# KiCad board mxm_immobilizer.kicad_pcb (continued)
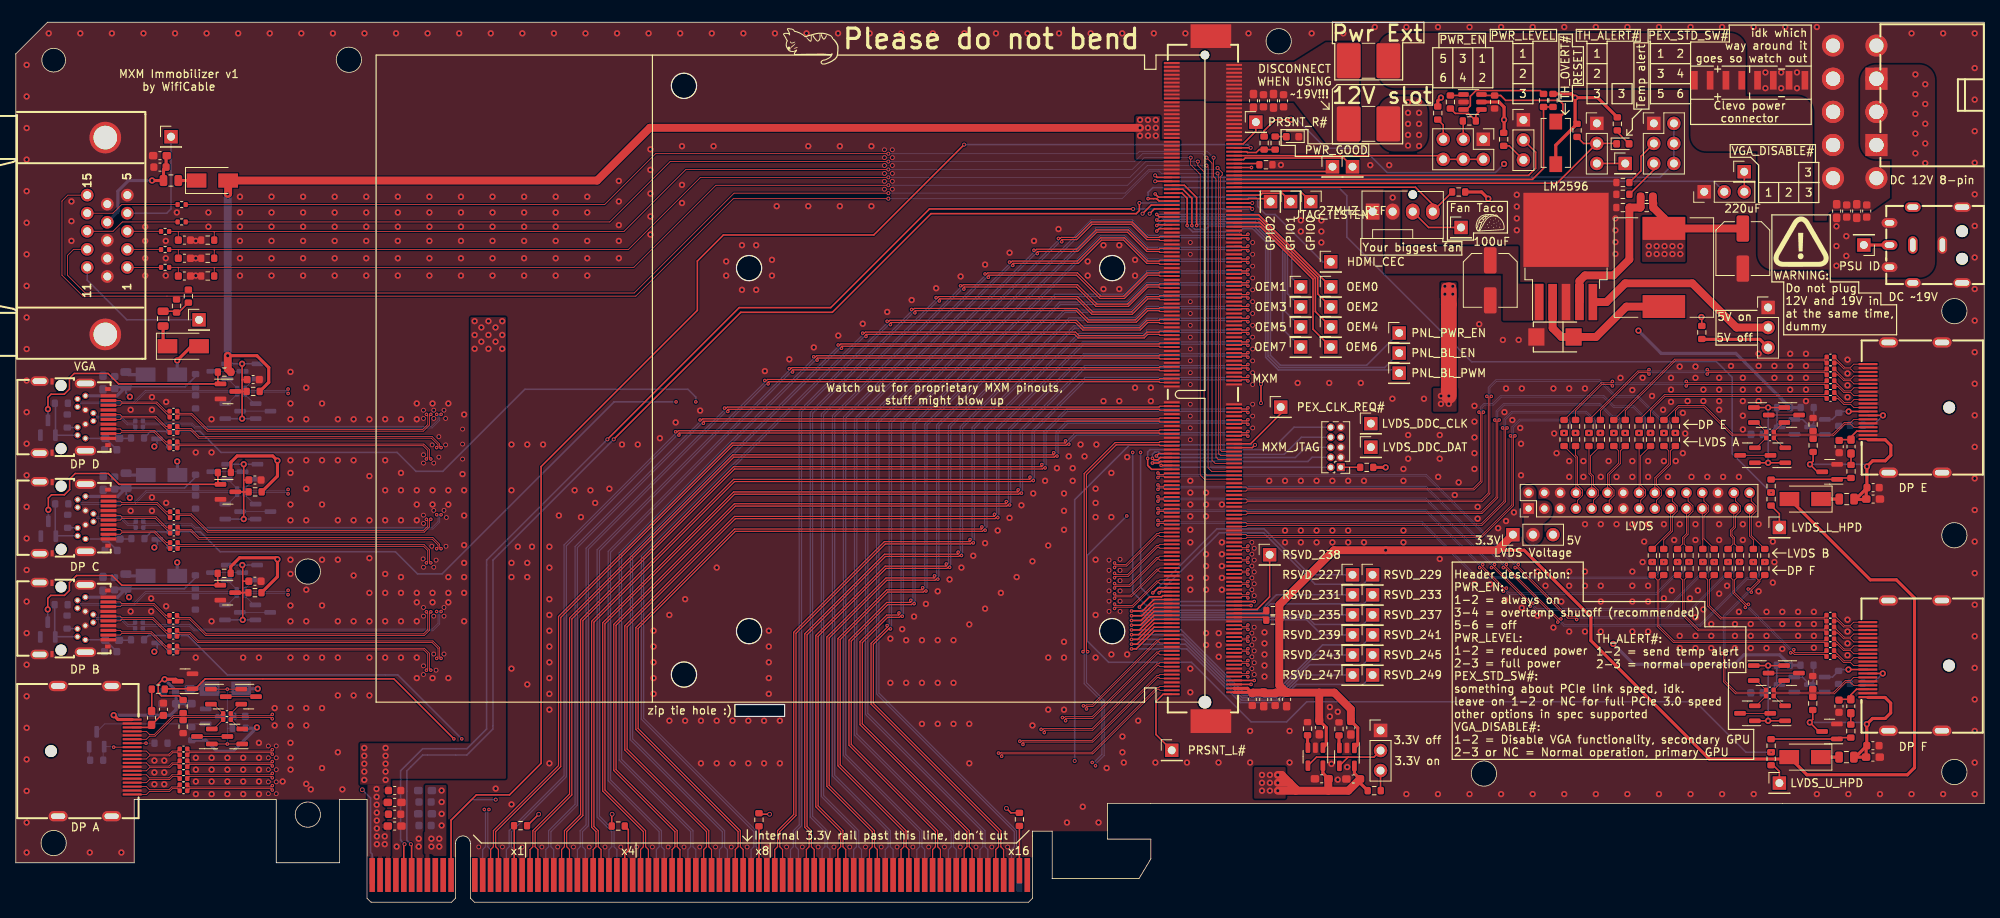
[diagram p0: board, top side]
## Routing (per net, layer and track width the routed paths; a pad name or vN(x,y) marks a point on that pad's centre or on a via; arc(x,y) is an arc through that point) (continued)
/DP_B_C_L3+: length 8.6
  Top w0.1: mDP_B1.5 13.23,34.45 13.42,34.25 17.21,34.25 19.02,32.45 C33.2
/DP_B_C_L3-: length 8.8
  Top w0.1: mDP_B1.3 13.23,33.85 13.42,34.04 17.13,34.04 C34.2
/DP_C_C_AUX+: length 23.1
  Bottom w0.1: Q12.2 26.85,50.45 C53.2 27.78,51.92 16.57,51.92 15.07,50.42 8.23,50.42 7.83,50.02
/DP_C_C_AUX-: length 22.9
  Bottom w0.1: 7.83,51.02 8.23,50.63 14.98,50.63 16.48,52.13 27.78,52.13 C52.2 26.85,53.6 Q11.2
/DP_C_C_L0+: length 6
  Bottom w0.1: 9.83,49.22 10.23,48.83 13.37,48.83 14.24,47.95 14.93,47.95 C20.2
/DP_C_C_L0-: length 6
  Bottom w0.1: C22.2 14.93,47.74 14.16,47.74 13.28,48.62 10.23,48.62 9.83,48.22
/DP_C_C_L1+: length 8.4
  Top w0.1: C18.2 19.09,49.47 17.94,50.63 13.44,50.63 13.25,50.82 mDP_C1.17
/DP_C_C_L1-: length 8.6
  Top w0.1: mDP_C1.15 13.25,50.22 13.44,50.42 17.85,50.42 C19.2
/DP_C_C_L2+: length 8.4
  Top w0.1: mDP_C1.11 13.25,49.02 13.44,48.83 17.79,48.83 19.09,47.52 C21.2
/DP_C_C_L2-: length 8.6
  Top w0.1: C23.2 17.7,48.62 13.44,48.62 13.25,48.42 mDP_C1.9
/DP_C_C_L3+: length 8.5
  Top w0.1: mDP_C1.5 13.25,47.22 13.44,47.03 17.64,47.03 19.09,45.57 C24.2
/DP_C_C_L3-: length 8.7
  Top w0.1: C25.2 17.55,46.82 13.44,46.82 13.25,46.62 mDP_C1.3
/DP_D_C_AUX+: length 23.1
  Bottom w0.1: Q10.2 26.85,63.17 C51.2 27.78,64.64 16.49,64.64 15.02,63.17 8.22,63.17 mDP_D1.16
/DP_D_C_AUX-: length 22.9
  Bottom w0.1: mDP_D1.18 8.22,63.38 14.93,63.38 16.41,64.85 27.78,64.85 C50.2 26.85,66.32 Q9.2
/DP_D_C_L0+: length 6
  Bottom w0.1: C11.2 14.88,60.7 14.19,60.7 13.32,61.58 10.22,61.58 mDP_D1.12
/DP_D_C_L0-: length 6
  Bottom w0.1: C13.2 14.88,60.49 14.11,60.49 13.23,61.37 10.22,61.37 mDP_D1.10
/DP_D_C_L1+: length 8.3
  Top w0.1: C9.2 19.04,62.22 17.89,63.38 13.43,63.38 13.24,63.57 mDP_D1.17
/DP_D_C_L1-: length 8.5
  Top w0.1: C10.2 17.8,63.17 13.43,63.17 13.24,62.97 mDP_D1.15
/DP_D_C_L2+: length 8.4
  Top w0.1: mDP_D1.11 13.24,61.77 13.43,61.58 17.74,61.58 19.04,60.27 C12.2
/DP_D_C_L2-: length 8.6
  Top w0.1: C14.2 17.65,61.37 13.43,61.37 13.24,61.17 mDP_D1.9
/DP_D_C_L3+: length 8.4
  Top w0.1: C15.2 19.04,58.32 17.59,59.78 13.43,59.78 13.24,59.97 mDP_D1.5
/DP_D_C_L3-: length 8.7
  Top w0.1: C16.2 17.5,59.57 13.43,59.57 13.24,59.37 11.74,59.37
/DP_E_C_AUX+: length 14.7
  Top w0.1: 224.05,60.78 223.92,60.78 C88.2 222.99,59.31 230.18,59.31 231.66,60.79 232.47,60.79 232.86,61.18 DP_E1.15
/DP_E_C_AUX-: length 14.8
  Top w0.1: DP_E1.17 232.86,60.18 232.47,60.58 231.74,60.58 230.27,59.1 222.99,59.1 C89.2 223.97,57.58 Q30.2
/DP_E_C_L0+: length 5
  Top w0.1: C96.2 231.68,67.79 232.47,67.79 232.86,68.18 DP_E1.1
/DP_E_C_L0-: length 4.8
  Top w0.1: DP_E1.3 232.86,67.18 232.47,67.58 231.59,67.58 230.84,68.33 C97.2
/DP_E_C_L1+: length 5
  Top w0.1: C98.2 231.68,66.29 232.47,66.29 232.86,66.68 DP_E1.4
/DP_E_C_L1-: length 4.8
  Top w0.1: C99.2 230.84,66.83 231.59,66.08 232.47,66.08 232.86,65.68 DP_E1.6
/DP_E_C_L2+: length 5
  Top w0.1: C100.2 231.68,64.79 232.47,64.79 232.86,65.18 DP_E1.7
/DP_E_C_L2-: length 4.8
  Top w0.1: DP_E1.9 232.86,64.18 232.47,64.58 231.59,64.58 230.84,65.33 C101.2
/DP_E_C_L3+: length 5
  Top w0.1: DP_E1.10 232.86,63.68 232.47,63.29 231.68,63.29 C102.2
/DP_E_C_L3-: length 4.8
  Top w0.1: C103.2 230.84,63.83 231.59,63.08 232.47,63.08 232.86,62.68 DP_E1.12
/DP_F_C_AUX+: length 14.7
  Top w0.1: DP_F1.15 232.84,28.49 232.44,28.09 231.79,28.09 230.31,26.62 222.97,26.62 C90.2 223.9,28.09 Q31.2
/DP_F_C_AUX-: length 14.8
  Top w0.1: Q32.2 223.95,24.89 C91.2 222.97,26.41 230.4,26.41 231.87,27.88 232.44,27.88 232.84,27.49 DP_F1.17
/DP_F_C_L0+: length 5
  Top w0.1: DP_F1.1 232.84,35.49 232.44,35.09 231.65,35.09 C104.2
/DP_F_C_L0-: length 4.7
  Top w0.1: C105.2 230.81,35.63 231.56,34.88 232.44,34.88 232.84,34.49 DP_F1.3
/DP_F_C_L1+: length 5
  Top w0.1: DP_F1.4 232.84,33.99 232.44,33.59 231.65,33.59 C106.2
/DP_F_C_L1-: length 4.7
  Top w0.1: DP_F1.6 232.84,32.99 232.44,33.38 231.56,33.38 230.81,34.13 C107.2
/DP_F_C_L2+: length 5
  Top w0.1: DP_F1.7 232.84,32.49 232.44,32.09 231.65,32.09 C108.2
/DP_F_C_L2-: length 4.8
  Top w0.1: C109.2 230.8,32.64 231.56,31.88 232.44,31.88 232.84,31.49 DP_F1.9
/DP_F_C_L3+: length 5
  Top w0.1: DP_F1.10 232.84,30.99 232.44,30.59 231.66,30.59 C110.2
/DP_F_C_L3-: length 4.8
  Top w0.1: C111.2 230.81,31.14 231.57,30.38 232.44,30.38 232.84,29.99 DP_F1.12
/RX0+: length 128
  Top w0.15: MXM1.147 144.95,59.85 144.84,59.74 83.94,59.74 83.8,59.61 v3(83.59,59.61)
  Bottom w0.15: v3(83.59,59.61) 83.59,59.4 80.8,56.6 69.45,45.26 69.45,16.01 62.5,9.06 62.5,7.03 62.15,6.68 PCIe_x16_1.A16
/RX0-: length 127.5
  Top w0.15: MXM1.149 144.95,59.35 144.84,59.45 84.06,59.45 84.01,59.4 v3(84.01,59.19)
  Bottom w0.15: v3(84.01,59.19) 83.8,59.19 81,56.4 69.74,45.14 69.74,15.89 62.8,8.94 62.8,7.03 63.15,6.68 PCIe_x16_1.A17
/RX1+: length 125.6
  Top w0.15: MXM1.141 144.95,61.35 144.84,61.24 87.04,61.24 86.9,61.11 v3(86.69,61.11)
  Bottom w0.15: v3(86.69,61.11) 86.69,60.9 85.2,59.4 70.86,45.06 70.86,12.41 67.5,9.06 67.5,7.03 67.15,6.68 PCIe_x16_1.A21
/RX1-: length 125.1
  Top w0.15: MXM1.143 144.95,60.85 144.84,60.95 87.16,60.95 87.11,60.9 v3(87.11,60.69)
  Bottom w0.15: PCIe_x16_1.A22 68.15,6.68 67.8,7.03 67.8,8.94 71.14,12.29 71.14,44.94 85.4,59.2 86.9,60.69 v3(87.11,60.69)
/RX2+: length 123.6
  Top w0.15: v3(89.79,62.61) 90,62.61 90.14,62.74 144.84,62.74 144.95,62.85 MXM1.135
  Bottom w0.15: v3(89.79,62.61) 89.79,62.4 87.8,60.4 72.25,44.86 72.25,9.81 71.5,9.06 71.5,7.03 71.15,6.68 PCIe_x16_1.A25
/RX2-: length 123.2
  Top w0.15: MXM1.137 144.95,62.35 144.84,62.45 90.26,62.45 90.21,62.4 v3(90.21,62.19)
  Bottom w0.15: PCIe_x16_1.A26 72.15,6.68 71.8,7.03 71.8,8.94 72.55,9.69 72.55,44.74 88,60.2 90,62.19 v3(90.21,62.19)
/RX3+: length 124
  Top w0.15: MXM1.121 144.95,66.35 144.84,66.24 95.24,66.24 95.1,66.11 v3(94.89,66.11)
  Bottom w0.15: PCIe_x16_1.A29 75.15,6.68 75.5,7.03 75.5,8.94 73.66,10.79 73.66,44.66 91.7,62.7 94.89,65.9 v3(94.89,66.11)
/RX3-: length 123.5
  Top w0.15: MXM1.123 144.95,65.85 144.84,65.95 95.36,65.95 95.31,65.9 v3(95.31,65.69)
  Bottom w0.15: v3(95.31,65.69) 95.1,65.69 91.9,62.5 73.94,44.54 73.94,10.91 75.8,9.06 75.8,7.03 76.15,6.68 PCIe_x16_1.A30
/RX4+: length 125
  Top w0.15: MXM1.115 144.95,67.85 144.84,67.74 98.34,67.74 98.2,67.61 v3(97.99,67.61)
  Bottom w0.15: PCIe_x16_1.A35 81.15,6.68 81.5,7.03 81.5,8.94 75.05,15.39 75.05,44.46 93.3,62.7 97.99,67.4 v3(97.99,67.61)
/RX4-: length 124.6
  Top w0.15: v3(98.41,67.19) 98.41,67.4 98.46,67.45 144.84,67.45 144.95,67.35 MXM1.117
  Bottom w0.15: PCIe_x16_1.A36 82.15,6.68 81.8,7.03 81.8,9.06 75.34,15.51 75.34,44.34 93.5,62.5 98.2,67.19 v3(98.41,67.19)
/RX5+: length 125.2
  Top w0.15: MXM1.109 144.95,69.35 144.84,69.24 101.44,69.24 101.3,69.11 v3(101.09,69.11)
  Bottom w0.15: PCIe_x16_1.A39 85.15,6.68 85.5,7.03 85.5,8.94 76.45,17.99 76.45,44.26 100.1,67.9 101.09,68.9 v3(101.09,69.11)
/RX5-: length 124.7
  Top w0.15: MXM1.111 144.95,68.85 144.84,68.95 101.56,68.95 101.51,68.9 v3(101.51,68.69)
  Bottom w0.15: v3(101.51,68.69) 101.3,68.69 100.3,67.7 76.74,44.14 76.74,18.11 85.8,9.06 85.8,7.03 86.15,6.68 PCIe_x16_1.A40
/RX6+: length 125.4
  Top w0.15: v3(104.19,70.61) 104.4,70.61 104.54,70.74 144.84,70.74 144.95,70.85 MXM1.103
  Bottom w0.15: PCIe_x16_1.A43 89.15,6.68 89.5,7.03 89.5,8.94 77.86,20.59 77.86,44.06 102.35,68.55 104.19,70.4 v3(104.19,70.61)
/RX6-: length 124.9
  Top w0.15: MXM1.105 144.95,70.35 144.84,70.45 104.66,70.45 104.61,70.4 v3(104.61,70.19)
  Bottom w0.15: PCIe_x16_1.A44 90.15,6.68 89.8,7.03 89.8,9.06 78.14,20.71 78.14,43.94 102.55,68.35 104.4,70.19 v3(104.61,70.19)
/RX7+: length 126
  Top w0.15: v3(107.29,72.11) 107.5,72.11 107.64,72.24 134.26,72.24 134.71,71.79 142.84,71.79 143.29,72.24 144.84,72.24 144.95,72.35 MXM1.97
  Bottom w0.15: PCIe_x16_1.A47 93.15,6.68 93.5,7.03 93.5,8.94 79.25,23.19 79.25,43.86 104.7,69.3 107.29,71.9 v3(107.29,72.11)
/RX7-: length 125.5
  Top w0.15: v3(107.71,71.69) 107.71,71.9 107.76,71.95 134.14,71.95 134.59,71.5 142.96,71.5 143.41,71.95 144.84,71.95 144.95,71.85 MXM1.99
  Bottom w0.15: v3(107.71,71.69) 107.5,71.69 104.9,69.1 79.55,43.74 79.55,23.31 93.8,9.06 93.8,7.03 94.15,6.68 PCIe_x16_1.A48
/RX8+: length 112.2
  Top w0.15: MXM1.91 144.95,73.85 144.84,73.74 143.29,73.74 142.34,72.79 135.31,72.79 134.36,73.74 110.74,73.74 110.6,73.61 v3(110.39,73.61)
  Bottom w0.15: PCIe_x16_1.A52 98.15,6.68 98.5,7.03 98.5,9.06 99.25,9.81 99.25,62.26 110.39,73.4 v3(110.39,73.61)
/RX8-: length 111.7
  Top w0.15: MXM1.93 144.95,73.35 144.84,73.45 143.41,73.45 142.46,72.5 135.19,72.5 134.24,73.45 110.86,73.45 110.81,73.4 v3(110.81,73.19)
  Bottom w0.15: v3(110.81,73.19) 110.6,73.19 99.55,62.14 99.55,9.69 98.8,8.94 98.8,7.03 99.15,6.68 PCIe_x16_1.A53
/RX9+: length 112.1
  Top w0.15: MXM1.85 144.95,75.35 144.84,75.24 143.29,75.24 141.84,73.79 135.91,73.79 134.46,75.24 113.84,75.24 113.7,75.11 v3(113.49,75.11)
  Bottom w0.15: PCIe_x16_1.A56 102.15,6.68 102.51,7.03 102.51,8.94 100.66,10.79 100.66,62.06 113.1,74.5 113.49,74.9 v3(113.49,75.11)
/RX9-: length 111.7
  Top w0.15: v3(113.91,74.69) 113.91,74.9 113.96,74.95 134.34,74.95 135.79,73.5 141.96,73.5 143.41,74.95 144.84,74.95 144.95,74.85 MXM1.87
  Bottom w0.15: v3(113.91,74.69) 113.7,74.69 113.3,74.3 100.94,61.94 100.94,10.91 102.8,9.06 102.8,7.03 103.15,6.68 PCIe_x16_1.A57
/RX10+: length 112.7
  Top w0.15: MXM1.79 144.95,76.85 144.84,76.74 143.29,76.74 141.34,74.79 136.46,74.79 134.51,76.74 116.94,76.74 116.8,76.61 v3(116.59,76.61)
  Bottom w0.15: PCIe_x16_1.A60 106.15,6.68 106.51,7.03 106.51,8.94 102.05,13.39 102.05,61.86 115.4,75.2 116.59,76.4 v3(116.59,76.61)
/RX10-: length 112.3
  Top w0.15: MXM1.81 144.95,76.35 144.84,76.45 143.41,76.45 141.46,74.5 136.34,74.5 134.39,76.45 117.06,76.45 117.01,76.4 v3(117.01,76.19)
  Bottom w0.15: v3(117.01,76.19) 116.8,76.19 115.6,75 102.34,61.74 102.34,13.51 106.8,9.06 106.8,7.03 107.15,6.68 PCIe_x16_1.A61
/RX11+: length 113.3
  Top w0.15: MXM1.73 144.95,78.35 144.84,78.24 143.29,78.24 140.84,75.79 136.96,75.79 134.51,78.24 120.04,78.24 119.9,78.11 v3(119.69,78.11)
  Bottom w0.15: v3(119.69,78.11) 119.69,77.9 118.25,76.45 103.45,61.66 103.45,15.99 110.51,8.94 110.51,7.03 110.15,6.68 PCIe_x16_1.A64
/RX11-: length 112.9
  Top w0.15: MXM1.75 144.95,77.85 144.84,77.95 143.41,77.95 140.96,75.5 136.84,75.5 134.39,77.95 120.16,77.95 120.11,77.9 v3(120.11,77.69)
  Bottom w0.15: v3(120.11,77.69) 119.9,77.69 118.45,76.25 103.74,61.54 103.74,16.11 110.8,9.06 110.8,7.03 111.15,6.68 PCIe_x16_1.A65
/RX12+: length 113.9
  Top w0.15: MXM1.67 144.95,79.85 144.84,79.74 143.29,79.74 140.34,76.79 137.46,76.79 134.51,79.74 123.14,79.74 123,79.61 v3(122.79,79.61)
  Bottom w0.15: v3(122.79,79.61) 122.79,79.4 121.65,78.25 104.86,61.46 104.86,18.59 114.51,8.94 114.51,7.03 114.15,6.68 PCIe_x16_1.A68
/RX12-: length 113.5
  Top w0.15: MXM1.69 144.95,79.35 144.84,79.45 143.41,79.45 140.46,76.5 137.34,76.5 134.39,79.45 123.26,79.45 123.21,79.4 v3(123.21,79.19)
  Bottom w0.15: PCIe_x16_1.A69 115.15,6.68 114.8,7.03 114.8,9.06 105.14,18.71 105.14,61.34 121.85,78.05 123,79.19 v3(123.21,79.19)
/RX13+: length 114.1
  Top w0.15: v3(125.89,81.11) 126.1,81.11 126.24,81.24 134.49,81.24 137.44,84.19 140.46,84.19 143.41,81.24 144.84,81.24 144.95,81.35 MXM1.61
  Bottom w0.15: v3(125.89,81.11) 125.89,80.9 124.5,79.5 106.26,61.26 106.26,21.19 118.51,8.94 118.51,7.03 118.15,6.68 PCIe_x16_1.A72
/RX13-: length 113.6
  Top w0.15: v3(126.31,80.69) 126.31,80.9 126.36,80.95 134.61,80.95 137.56,83.9 140.34,83.9 143.29,80.95 144.84,80.95 144.95,80.85 MXM1.63
  Bottom w0.15: PCIe_x16_1.A73 119.15,6.68 118.8,7.03 118.8,9.06 106.55,21.31 106.55,61.14 124.7,79.3 126.1,80.69 v3(126.31,80.69)
/RX14+: length 113.9
  Top w0.15: v3(128.99,82.61) 129.2,82.61 129.34,82.74 134.39,82.74 136.84,85.19 140.96,85.19 143.41,82.74 144.84,82.74 144.95,82.85 MXM1.55
  Bottom w0.15: v3(128.99,82.61) 128.99,82.4 128.25,81.65 107.65,61.06 107.65,23.79 122.51,8.94 122.51,7.03 122.15,6.68 PCIe_x16_1.A76
/RX14-: length 113.4
  Top w0.15: MXM1.57 144.95,82.35 144.84,82.45 143.29,82.45 140.84,84.9 136.96,84.9 134.51,82.45 129.46,82.45 129.41,82.4 v3(129.41,82.19)
  Bottom w0.15: v3(129.41,82.19) 129.2,82.19 128.45,81.45 107.95,60.94 107.95,23.91 122.8,9.06 122.8,7.03 123.15,6.68 PCIe_x16_1.A77
/RX15+: length 113.6
  Top w0.15: v3(132.09,84.11) 132.3,84.11 132.44,84.24 134.29,84.24 136.24,86.19 141.46,86.19 143.41,84.24 144.84,84.24 144.95,84.35 MXM1.49
  Bottom w0.15: v3(132.09,84.11) 132.09,83.9 129.5,81.3 109.05,60.86 109.05,26.39 126.51,8.94 126.51,7.03 126.15,6.68 PCIe_x16_1.A80
/RX15-: length 113.2
  Top w0.15: MXM1.51 144.95,83.85 144.84,83.95 143.29,83.95 141.34,85.9 136.36,85.9 134.41,83.95 132.56,83.95 132.51,83.9 v3(132.51,83.69)
  Bottom w0.15: PCIe_x16_1.A81 127.15,6.68 126.8,7.03 126.8,9.06 109.34,26.51 109.34,60.74 129.7,81.1 132.3,83.69 v3(132.51,83.69)
/TX0+: length 135.4
  Top w0.15: MXM1.148 155.23,59.6 155.33,59.49 155.95,59.49 v3(156.1,59.64) ; PCIe_x16_1.B14 60.15,6.68 60.5,7.03 60.5,9.06 68.75,17.31 68.75,36.21 90.74,58.19 132.94,58.19 132.99,58.24 v3(132.99,58.45)
  Bottom w0.15: v3(132.99,58.45) 133.2,58.45 134.24,59.49 155.95,59.49 v3(156.1,59.64)
/TX0-: length 134.9
  Top w0.15: v3(156.1,59.05) 155.95,59.2 155.33,59.2 155.23,59.1 MXM1.150 ; v3(133.41,58.04) 133.2,58.04 133.06,57.9 90.86,57.9 69.05,36.08 69.05,17.19 60.8,8.94 60.8,7.03 61.15,6.68 PCIe_x16_1.B15
  Bottom w0.15: v3(156.1,59.05) 155.95,59.2 134.37,59.2 133.41,58.25 v3(133.41,58.04)
/TX1+: length 134.5
  Top w0.15: MXM1.142 155.23,61.1 155.33,60.99 155.95,60.99 v3(156.1,61.14) ; v3(131.49,56.95) 131.49,56.74 131.44,56.69 90.84,56.69 70.16,36.01 70.16,13.71 65.5,9.06 65.5,7.03 65.15,6.68 PCIe_x16_1.B19
  Bottom w0.15: v3(131.49,56.95) 131.7,56.95 131.76,57.01 131.76,59.56 133.19,60.99 155.95,60.99 v3(156.1,61.14)
/TX1-: length 134
  Top w0.15: v3(131.91,56.54) 131.7,56.54 131.56,56.4 90.96,56.4 70.44,35.88 70.44,13.59 65.8,8.94 65.8,7.03 66.15,6.68 PCIe_x16_1.B20 ; v3(156.1,60.55) 155.95,60.7 155.33,60.7 155.23,60.6 MXM1.144
  Bottom w0.15: v3(156.1,60.55) 155.95,60.7 133.31,60.7 132.05,59.44 132.05,56.88 131.91,56.75 v3(131.91,56.54)
/TX2+: length 133.4
  Top w0.15: MXM1.136 155.23,62.6 155.33,62.49 155.95,62.49 v3(156.1,62.64) ; PCIe_x16_1.B23 69.15,6.68 69.5,7.03 69.5,9.06 71.55,11.11 71.55,35.81 90.94,55.19 129.94,55.19 129.99,55.24 v3(129.99,55.45)
  Bottom w0.15: v3(129.99,55.45) 130.2,55.45 130.26,55.51 130.26,59.66 133.09,62.49 155.95,62.49 v3(156.1,62.64)
/TX2-: length 132.9
  Top w0.15: v3(130.41,55.04) 130.2,55.04 130.06,54.9 91.06,54.9 71.84,35.68 71.84,10.99 69.8,8.94 69.8,7.03 70.15,6.68 PCIe_x16_1.B24 ; v3(156.1,62.05) 155.95,62.2 155.33,62.2 155.23,62.1 MXM1.138
  Bottom w0.15: v3(130.41,55.04) 130.41,55.25 130.55,55.38 130.55,59.54 133.21,62.2 155.95,62.2 v3(156.1,62.05)
/TX3+: length 133.9
  Top w0.15: MXM1.120 155.23,66.6 155.33,66.49 155.95,66.49 v3(156.1,66.64) ; v3(128.49,53.85) 128.49,53.64 128.44,53.59 90.94,53.59 72.95,35.61 72.95,9.49 73.5,8.94 73.5,7.03 73.15,6.68 PCIe_x16_1.B27
  Bottom w0.15: v3(128.49,53.85) 128.7,53.85 128.76,53.91 128.76,59.76 135.49,66.49 155.95,66.49 v3(156.1,66.64)
/TX3-: length 133.5
  Top w0.15: PCIe_x16_1.B28 74.15,6.68 73.8,7.03 73.8,9.06 73.24,9.61 73.24,35.48 91.06,53.3 128.56,53.3 128.7,53.44 v3(128.91,53.44) ; v3(156.1,66.05) 155.95,66.2 155.33,66.2 155.23,66.1 MXM1.122
  Bottom w0.15: v3(128.91,53.44) 128.91,53.65 129.05,53.78 129.05,59.64 135.61,66.2 155.95,66.2 v3(156.1,66.05)
/TX4+: length 135.9
  Top w0.15: PCIe_x16_1.B33 79.15,6.68 79.5,7.03 79.5,8.94 74.36,14.09 74.36,35.41 90.94,51.99 126.94,51.99 126.99,52.04 v3(126.99,52.25) ; v3(156.1,68.14) 155.95,67.99 155.33,67.99 155.23,68.1 MXM1.114
  Bottom w0.15: v3(156.1,68.14) 155.95,67.99 135.39,67.99 127.26,59.86 127.26,52.31 127.2,52.25 v3(126.99,52.25)
/TX4-: length 135.5
  Top w0.15: v3(156.1,67.55) 155.95,67.7 155.33,67.7 155.23,67.6 MXM1.116 ; v3(127.41,51.84) 127.2,51.84 127.06,51.7 91.06,51.7 74.64,35.28 74.64,14.21 79.8,9.06 79.8,7.03 80.15,6.68 PCIe_x16_1.B34
  Bottom w0.15: v3(127.41,51.84) 127.41,52.05 127.55,52.18 127.55,59.74 135.51,67.7 155.95,67.7 v3(156.1,67.55)
/TX5+: length 137.1
  Top w0.15: MXM1.108 155.23,69.6 155.33,69.49 155.95,69.49 v3(156.1,69.64) ; v3(125.49,50.75) 125.49,50.54 125.44,50.49 91.04,50.49 75.75,35.21 75.75,16.69 83.5,8.94 83.5,7.03 83.15,6.68 PCIe_x16_1.B37
  Bottom w0.15: v3(125.49,50.75) 125.7,50.75 125.76,50.81 125.76,59.96 135.29,69.49 155.95,69.49 v3(156.1,69.64)
/TX5-: length 136.6
  Top w0.15: v3(156.1,69.05) 155.95,69.2 155.33,69.2 155.23,69.1 MXM1.110 ; v3(125.91,50.34) 125.7,50.34 125.56,50.2 91.16,50.2 76.05,35.08 76.05,16.81 83.8,9.06 83.8,7.03 84.15,6.68 PCIe_x16_1.B38
  Bottom w0.15: v3(156.1,69.05) 155.95,69.2 135.41,69.2 126.05,59.84 126.05,50.68 125.91,50.55 v3(125.91,50.34)
/TX6+: length 138.2
  Top w0.15: v3(156.1,71.14) 155.95,70.99 155.33,70.99 155.23,71.1 MXM1.102 ; PCIe_x16_1.B41 87.15,6.68 87.5,7.03 87.5,8.94 77.16,19.29 77.16,35.01 91.04,48.89 123.94,48.89 123.99,48.94 v3(123.99,49.15)
  Bottom w0.15: v3(156.1,71.14) 155.95,70.99 135.19,70.99 124.26,60.06 124.26,49.21 124.2,49.15 v3(123.99,49.15)
/TX6-: length 137.8
  Top w0.15: PCIe_x16_1.B42 88.15,6.68 87.8,7.03 87.8,9.06 77.44,19.41 77.44,34.88 91.16,48.6 124.06,48.6 124.2,48.74 v3(124.41,48.74) ; MXM1.104 155.23,70.6 155.33,70.7 155.95,70.7 v3(156.1,70.55)
  Bottom w0.15: v3(156.1,70.55) 155.95,70.7 135.31,70.7 124.55,59.94 124.55,49.08 124.41,48.95 v3(124.41,48.74)
/TX7+: length 139.4
  Top w0.15: v3(156.1,72.64) 155.95,72.49 155.33,72.49 155.23,72.6 MXM1.96 ; PCIe_x16_1.B45 91.15,6.68 91.5,7.03 91.5,8.94 78.55,21.89 78.55,34.81 91.04,47.29 122.34,47.29 122.39,47.34 v3(122.39,47.55)
  Bottom w0.15: v3(122.39,47.55) 122.6,47.55 122.76,47.71 122.76,60.16 134.64,72.04 142.84,72.04 143.29,72.49 155.95,72.49 v3(156.1,72.64)
/TX7-: length 138.9
  Top w0.15: v3(122.81,47.14) 122.6,47.14 122.46,47 91.16,47 78.84,34.68 78.84,22.01 91.8,9.06 91.8,7.03 92.15,6.68 PCIe_x16_1.B46 ; v3(156.1,72.05) 155.95,72.2 155.33,72.2 155.23,72.1 MXM1.98
  Bottom w0.15: v3(156.1,72.05) 155.95,72.2 143.41,72.2 142.96,71.75 134.76,71.75 123.05,60.04 123.05,47.58 122.81,47.35 v3(122.81,47.14)
/TX8+: length 116.1
  Top w0.15: MXM1.90 155.23,74.1 155.33,73.99 155.95,73.99 v3(156.1,74.14) ; v3(120.89,45.95) 120.89,45.74 120.84,45.69 110.04,45.69 98.55,34.21 98.55,11.11 96.5,9.06 96.5,7.03 96.15,6.68 PCIe_x16_1.B50
  Bottom w0.15: v3(156.1,74.14) 155.95,73.99 143.29,73.99 142.34,73.04 134.04,73.04 121.15,60.16 121.15,46.01 121.1,45.95 v3(120.89,45.95)
/TX8-: length 115.6
  Top w0.15: MXM1.92 155.23,73.6 155.33,73.7 155.95,73.7 v3(156.1,73.55) ; v3(121.31,45.54) 121.1,45.54 120.96,45.4 110.16,45.4 98.84,34.08 98.84,10.99 96.8,8.94 96.8,7.03 97.15,6.68 PCIe_x16_1.B51
  Bottom w0.15: v3(121.31,45.54) 121.31,45.75 121.45,45.88 121.45,60.04 134.16,72.75 142.46,72.75 143.41,73.7 155.95,73.7 v3(156.1,73.55)
/TX9+: length 115.6
  Top w0.15: MXM1.84 155.23,75.6 155.33,75.49 155.95,75.49 v3(156.1,75.64) ; v3(119.39,44.35) 119.39,44.14 119.35,44.1 110.05,44.1 99.95,34.01 99.95,9.49 100.5,8.94 100.5,7.03 100.15,6.68 PCIe_x16_1.B54
  Bottom w0.15: v3(119.39,44.35) 119.6,44.35 119.65,44.41 119.65,60.26 133.44,74.04 141.84,74.04 143.29,75.49 155.95,75.49 v3(156.1,75.64)
/TX9-: length 115.1
  Top w0.15: MXM1.86 155.23,75.1 155.33,75.2 155.95,75.2 v3(156.1,75.05) ; v3(119.81,43.94) 119.6,43.94 119.47,43.81 110.17,43.81 100.24,33.88 100.24,9.61 100.8,9.06 100.8,7.03 101.15,6.68 PCIe_x16_1.B55
  Bottom w0.15: v3(156.1,75.05) 155.95,75.2 143.41,75.2 141.96,73.75 133.56,73.75 119.95,60.14 119.95,44.28 119.81,44.15 v3(119.81,43.94)
/TX10+: length 116.7
  Top w0.15: v3(156.1,77.14) 155.95,76.99 155.33,76.99 155.23,77.1 MXM1.78 ; PCIe_x16_1.B58 104.15,6.68 104.51,7.03 104.51,8.94 101.36,12.09 101.36,33.81 110.14,42.59 117.84,42.59 117.89,42.64 v3(117.89,42.85)
  Bottom w0.15: v3(117.89,42.85) 118.1,42.85 118.15,42.91 118.15,60.36 132.84,75.04 141.34,75.04 143.29,76.99 155.95,76.99 v3(156.1,77.14)
/TX10-: length 116.2
  Top w0.15: v3(156.1,76.55) 155.95,76.7 155.33,76.7 155.23,76.6 MXM1.80 ; PCIe_x16_1.B59 105.15,6.68 104.8,7.03 104.8,9.06 101.64,12.21 101.64,33.68 110.26,42.3 117.96,42.3 118.1,42.44 v3(118.31,42.44)
  Bottom w0.15: v3(156.1,76.55) 155.95,76.7 143.41,76.7 141.46,74.75 132.96,74.75 118.45,60.24 118.45,42.78 118.31,42.65 v3(118.31,42.44)
/TX11+: length 117.8
  Top w0.15: MXM1.72 155.23,78.6 155.33,78.49 155.95,78.49 v3(156.1,78.64) ; PCIe_x16_1.B62 108.15,6.68 108.51,7.03 108.51,8.94 102.76,14.69 102.76,33.61 110.24,41.09 116.34,41.09 116.39,41.14 v3(116.39,41.35)
  Bottom w0.15: v3(156.1,78.64) 155.95,78.49 143.29,78.49 140.84,76.04 132.24,76.04 116.65,60.46 116.65,41.41 116.6,41.35 v3(116.39,41.35)
/TX11-: length 117.3
  Top w0.15: PCIe_x16_1.B63 109.15,6.68 108.8,7.03 108.8,9.06 103.05,14.81 103.05,33.48 110.36,40.8 116.46,40.8 116.6,40.94 v3(116.81,40.94) ; MXM1.74 155.23,78.1 155.33,78.2 155.95,78.2 v3(156.1,78.05)
  Bottom w0.15: v3(116.81,40.94) 116.81,41.15 116.95,41.28 116.95,60.34 132.36,75.75 140.96,75.75 143.41,78.2 155.95,78.2 v3(156.1,78.05)
/TX12+: length 118.9
  Top w0.15: MXM1.66 155.23,80.1 155.33,79.99 155.95,79.99 v3(156.1,80.14) ; PCIe_x16_1.B66 112.15,6.68 112.51,7.03 112.51,8.94 104.15,17.29 104.15,33.41 110.34,39.59 114.84,39.59 114.89,39.64 v3(114.89,39.85)
  Bottom w0.15: v3(156.1,80.14) 155.95,79.99 143.29,79.99 140.34,77.04 131.64,77.04 115.15,60.56 115.15,39.91 115.1,39.85 v3(114.89,39.85)
/TX12-: length 118.5
  Top w0.15: PCIe_x16_1.B67 113.15,6.68 112.8,7.03 112.8,9.06 104.45,17.41 104.45,33.28 110.46,39.3 114.96,39.3 115.1,39.44 v3(115.31,39.44) ; MXM1.68 155.23,79.6 155.33,79.7 155.95,79.7 v3(156.1,79.55)
  Bottom w0.15: v3(115.31,39.44) 115.31,39.65 115.45,39.78 115.45,60.44 131.76,76.75 140.46,76.75 143.41,79.7 155.95,79.7 v3(156.1,79.55)
/TX13+: length 122.6
  Top w0.15: PCIe_x16_1.B70 116.15,6.68 116.51,7.03 116.51,8.94 105.55,19.89 105.55,33.21 110.34,37.99 113.34,37.99 113.39,38.04 v3(113.39,38.25) ; v3(156.1,81.64) 155.95,81.49 155.33,81.49 155.23,81.6 MXM1.60
  Bottom w0.15: v3(156.1,81.64) 155.95,81.49 143.41,81.49 140.46,84.44 137.44,84.44 113.65,60.66 113.65,38.31 113.6,38.25 v3(113.39,38.25)
/TX13-: length 122.1
  Top w0.15: v3(113.81,37.84) 113.6,37.84 113.46,37.7 110.46,37.7 105.84,33.08 105.84,20.01 116.8,9.06 116.8,7.03 117.15,6.68 PCIe_x16_1.B71 ; v3(156.1,81.05) 155.95,81.2 155.33,81.2 155.23,81.1 MXM1.62
  Bottom w0.15: v3(113.81,37.84) 113.81,38.05 113.95,38.18 113.95,60.54 137.56,84.15 140.34,84.15 143.29,81.2 155.95,81.2 v3(156.1,81.05)
/TX14+: length 123.3
  Top w0.15: v3(156.1,83.14) 155.95,82.99 155.33,82.99 155.23,83.1 MXM1.54 ; PCIe_x16_1.B74 120.15,6.68 120.51,7.03 120.51,8.94 106.95,22.49 106.95,33.01 110.34,36.39 111.84,36.39 111.89,36.44 v3(111.89,36.65)
  Bottom w0.15: v3(156.1,83.14) 155.95,82.99 143.41,82.99 140.96,85.44 136.84,85.44 112.15,60.76 112.15,36.71 112.1,36.65 v3(111.89,36.65)
/TX14-: length 122.8
  Top w0.15: v3(112.31,36.24) 112.1,36.24 111.96,36.1 110.46,36.1 107.24,32.88 107.24,22.61 120.8,9.06 120.8,7.03 121.15,6.68 PCIe_x16_1.B75 ; v3(156.1,82.55) 155.95,82.7 155.33,82.7 155.23,82.6 MXM1.56
  Bottom w0.15: v3(112.31,36.24) 112.31,36.45 112.45,36.58 112.45,60.64 136.96,85.15 140.84,85.15 143.29,82.7 155.95,82.7 v3(156.1,82.55)
/TX15+: length 124.1
  Top w0.15: MXM1.48 155.23,84.6 155.33,84.49 155.95,84.49 v3(156.1,84.64) ; v3(110.39,35.05) 110.39,34.84 108.36,32.81 108.36,25.09 124.51,8.94 124.51,7.03 124.15,6.68 PCIe_x16_1.B78
  Bottom w0.15: v3(156.1,84.64) 155.95,84.49 143.41,84.49 141.46,86.44 136.24,86.44 110.65,60.86 110.65,35.11 110.6,35.05 v3(110.39,35.05)
/TX15-: length 123.6
  Top w0.15: v3(110.81,34.64) 110.6,34.64 108.64,32.68 108.64,25.21 124.8,9.06 124.8,7.03 125.15,6.68 PCIe_x16_1.B79 ; MXM1.50 155.23,84.1 155.33,84.2 155.95,84.2 v3(156.1,84.05)
  Bottom w0.15: v3(110.81,34.64) 110.81,34.85 110.95,34.98 110.95,60.74 136.36,86.15 141.34,86.15 143.29,84.2 155.95,84.2 v3(156.1,84.05)
DP_A_AUX+: length 130
  Top w0.1: v3(32.5,23.24) 32.33,23.42 27.5,23.42 C57.1 28.43,21.95 Q24.2 ; v3(124.9,18.5) 124.9,18.75 124.94,18.79 136.44,18.79 144.64,26.99 144.8,26.99 144.95,26.85 MXM1.279
  In2.Cu w0.1: v3(124.9,18.5) 124.65,18.5 122.84,16.69 66.16,16.69 57.86,24.99 41.14,24.99 39.57,23.42 32.67,23.42 v3(32.5,23.24)
DP_A_AUX-: length 129.9
  Top w0.1: v3(32.5,23.8) 32.33,23.63 27.5,23.63 C56.1 28.43,25.1 Q23.2 ; MXM1.277 144.95,27.35 144.8,27.2 144.56,27.2 136.36,19 124.86,19 124.75,18.9 v3(124.5,18.9)
  In2.Cu w0.1: v3(124.5,18.9) 124.5,18.65 122.76,16.9 66.24,16.9 57.94,25.2 41.06,25.2 39.48,23.63 32.67,23.63 v3(32.5,23.8)
DP_A_HPD: length 153.5
  Top w0.2: R12.1 18.93,27.05 D10.1 22.75,27.05 24,28.3 47.9,28.3 v3(55.5,20.7) ; v3(156.5,27.6) MXM1.276
  In2.Cu w0.2: v3(156.5,27.6) 146,27.6 143.28,24.88 138.23,24.88 135.93,22.58 134.73,22.58 124.2,12.05 64.15,12.05 v3(55.5,20.7)
DP_A_L0+: length 139.8
  Top w0.1: MXM1.255 144.95,32.85 144.8,32.99 144.64,32.99 136.44,24.79 135.7,24.79 135.65,24.74 v3(135.65,24.49) ; C43.1 22,14.39 32.33,14.39 v3(32.5,14.21)
  In2.Cu w0.1: v3(32.5,14.21) 32.67,14.39 34.94,14.39 41.94,21.39 57.06,21.39 65.36,13.09 124,13.09 135.4,24.49 v3(135.65,24.49)
